# Altium PCB VOU_SOM_CV_V0.0.1.PcbDoc (part 3 of 3)
Units mil, origin at the board's own origin, x right, y up, seen from the top; angles counter-clockwise.
Board outline 6000 x 4000 mil, 2 copper layers (Top Layer, Bottom Layer); 531 components, 775 nets, 3326 pads, 56 vias.
Unrouted connection lines stored in the file: 2447.
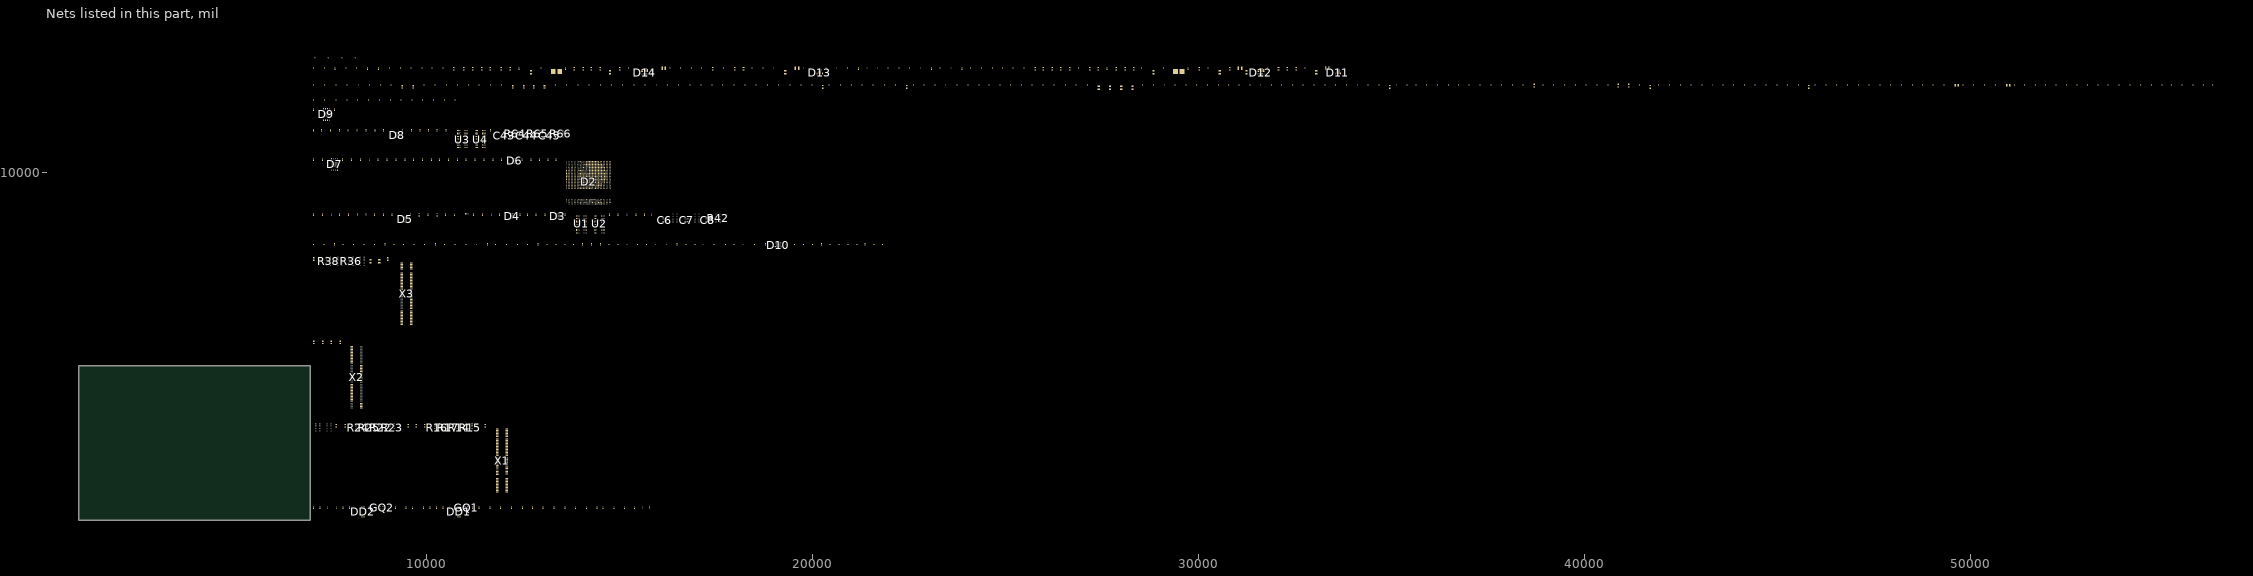
[diagram p3: the nets of this part, all layers, seen from the top]

## Via types
v1: diameter 19.68, hole 7.87, Top Layer to Bottom Layer, 56 vias

## Nets (pads, with @x,y where several pads share a name; then routed paths per layer and width w, separated by ;. In a path a pad name is that pad's centre, name@x,y a point inside that pad or via, vN(x,y) a via of type N, cw(c..) or ccw(c..) an arc to the next point about the centre after c; other vN are vias at no path point) (continued)
FPGA_DDR_D21: D2.AF20 U1.H8
FPGA_DDR_D22: D2.AH23 U1.G2
FPGA_DDR_D23: D2.AK24 U1.H7
FPGA_DDR_D24: D2.AF24 U1.D7
FPGA_DDR_D25: D2.AF23 U1.C3
FPGA_DDR_D26: D2.AJ24 U1.C8
FPGA_DDR_D27: D2.AK26 U1.C2
FPGA_DDR_D28: D2.AE23 U1.A7
FPGA_DDR_D29: D2.AE22 U1.A2
FPGA_DDR_D30: D2.AG25 U1.B8
FPGA_DDR_D31: D2.AK27 U1.A3
FPGA_DDR_DM0: D2.AH17 U2.E7
FPGA_DDR_DM1: D2.AG23 U2.D3
FPGA_DDR_DM2: D2.AK23 U1.E7
FPGA_DDR_DM3: D2.AJ27 U1.D3
FPGA_DDR_DQS0_N: D2.W16 U2.G3
FPGA_DDR_DQS0_P: D2.V16 U2.F3
FPGA_DDR_DQS1_N: D2.W17 U2.B7
FPGA_DDR_DQS1_P: D2.V17 U2.C7
FPGA_DDR_DQS2_N: D2.AA18 U1.G3
FPGA_DDR_DQS2_P: D2.Y17 U1.F3
FPGA_DDR_DQS3_N: D2.AD19 U1.B7
FPGA_DDR_DQS3_P: D2.AC20 U1.C7
FPGA_DDR_ODT: D2.AE16 R42.1 U1.K1 U2.K1
FPGA_DDR_RAS#: D2.AH8 R42.3 U1.J3 U2.J3
FPGA_DDR_RST#: D2.AK21 R49.2 U1.T2 U2.T2
FPGA_DDR_WE#: D2.AJ6 R42.5 U1.L3 U2.L3
FPGA_STATUS#: D2.F4 R176.2
GND: C1.1 C2.1 C3.2 C4.1 C5.2 C6.1 C6.2 C6.3 C6.4 C7.1 C7.2 C7.3 C7.4 C8.1 C8.2 C8.3 C8.4 C11.2 C12.2 C13.2 C14.2 C15.2 C16.2 C17.2 C18.2 C19.2 C20.2 C34.1 C35.1 C42.1 C43.1 C43.2 C43.3 C43.4 C44.1 C44.2 C44.3 C44.4 C45.1 C45.2 C45.3 C45.4 C46.2 C47.2 C48.2 C49.2 C50.2 C51.2 C52.1 C53.1 C54.1 C55.1 C56.1 C57.1 C58.2 C59.2 C60.1 C61.1 C62.1 C63.1 C64.1 C65.2 C66.2 C67.2 C68.2 C69.2 C70.1 C71.2 C72.2 C73.2 C75.2 C76.2 C77.2 C78.2 C79.2 C80.2 C81.1 C85.2 C86.2 C87.2 C88.2 C89.2 C90.2 C91.2 C92.2 C94.2 C95.2 C96.2 C97.2 C98.2 C99.2 C100.2 C101.1 C103.1 C105.1 C106.1 C107.1 C108.1 C109.1 C110.1 C111.1 C112.2 C113.1 C114.1 C115.1 C116.1 C117.1 C118.1 C119.1 C120.1 C121.1 C122.1 C123.1 C124.1 C125.1 C126.1 C127.1 C128.1 C129.1 C130.1 C131.1 C132.1 C133.1 C134.1 C135.1 C136.1 C137.2 C138.1 C139.1 C140.1 C141.1 C142.1 C143.1 C144.1 C145.1 C146.1 C147.1 C148.1 C149.1 C150.1 C151.1 C152.1 C153.1 C154.2 C155.1 C156.1 C157.1 C158.1 C159.1 C160.1 C161.1 C162.2 C163.2 C164.1 C165.1 C166.1 C167.2 C168.2 C169.2 C170.2 C171.2 C172.2 C173.2 C174.2 C175.2 C176.1 C177.1 C178.1 C179.1 C180.2 C181.2 C182.2 C183.2 C184.2 C185.2 C186.2 C187.2 C188.2 C189.2 C190.2 C191.2 C192.2 C193.2 C194.1 C195.1 C196.1 C197.1 C198.1 C199.1 C200.1 C201.1 C202.2 C203.2 C204.2 C205.2 C206.1 C207.1 C208.1 C209.1 C210.1 C211.1 C212.1 C213.1 C214.1 C215.1 C216.1 C217.1 C218.1 C219.1 C220.1 C221.1 C222.1 C223.1 C224.1 C225.1 C226.1 C227.2 C228.2 C230.1 C231.1 C232.1 C233.1 C234.1 C235.1 C236.1 C237.1 C238.1 C239.1 C240.1 C241.1 C242.1 C243.1 C244.1 C245.1 C246.2 C247.2 C249.1 C250.1 C251.1 C252.1 C253.1 C254.1 C255.1 C256.1 C257.1 C258.1 C259.1 C260.1 C261.1 C262.1 C263.1 C264.1 C265.1 C266.1 C268.2 D2.A2 D2.A12 D2.A17 D2.A22 D2.A26 D2.A27 D2.AA3 D2.AA4 D2.AA6 D2.AA9 D2.AA11 D2.AA22 D2.AA29 D2.AB1 D2.AB2 D2.AB5 D2.AB7 D2.AB19 D2.AB27 D2.AB29 D2.AC3 D2.AC4 D2.AC6 D2.AC8 D2.AC16 D2.AC24 D2.AC26 D2.AD1 D2.AD2 D2.AD5 D2.AD6 D2.AD23 D2.AE3 D2.AE4 D2.AE10 D2.AE20 D2.AF1 D2.AF2 D2.AF3 D2.AF12 D2.AF15 D2.AF17 D2.AF27 D2.AG9 D2.AG14 D2.AG24 D2.AH1 D2.AH6 D2.AH11 D2.AH21 D2.AJ3 D2.AJ7 D2.AJ10 D2.AJ18 D2.AJ22 D2.AJ28 D2.AJ30 D2.AK5 D2.AK15 D2.AK25 D2.B9 D2.B10 D2.B14 D2.B19 D2.B24 D2.B29 D2.C1 D2.C6 D2.C16 D2.C21 D2.C26 D2.D3 D2.D13 D2.D23 D2.D26 D2.E10 D2.E22 D2.E25 D2.E30 D2.F2 D2.F5 D2.F7 D2.F17 D2.F27 D2.G3 D2.G4 D2.G5 D2.G24 D2.H1 D2.H2 D2.H5 D2.H11 D2.J3 D2.J4 D2.J6 D2.J8 D2.J18 D2.J22 D2.J28 D2.K1 D2.K2 D2.K5 D2.K10 D2.K15 D2.K20 D2.K25 D2.L3 D2.L4 D2.L6 D2.L11 D2.L13 D2.L15 D2.L17 D2.L19 D2.L22 D2.M1 D2.M2 D2.M5 D2.M7 D2.M8 D2.M10 D2.M12 D2.M14 D2.M16 D2.M18 D2.M20 D2.M29 D2.N3 D2.N4 D2.N6 D2.N8 D2.N9 D2.N11 D2.N13 D2.N15 D2.N17 D2.N19 D2.N26 D2.P1 D2.P2 D2.P5 D2.P7 D2.P10 D2.P12 D2.P14 D2.P16 D2.P18 D2.P20 D2.R3 D2.R4 D2.R6 D2.R8 D2.R9 D2.R11 D2.R13 D2.R15 D2.R17 D2.R30 D2.T1 D2.T2 D2.T5 D2.T7 D2.T10 D2.T12 D2.T14 D2.T15 D2.T16 D2.T18 D2.T20 D2.T27 D2.U3 D2.U4 D2.U6 D2.U9 D2.U11 D2.U13 D2.U15 D2.U17 D2.U22 D2.U24 D2.U29 D2.V1 D2.V2 D2.V5 D2.V7 D2.V10 D2.V12 D2.V14 D2.V19 D2.V21 D2.W3 D2.W4 D2.W6 D2.W9 D2.W11 D2.W13 D2.W18 D2.W28 D2.Y1 D2.Y2 D2.Y5 D2.Y7 D2.Y8 D2.Y10 D2.Y12 D2.Y14 D2.Y15 D2.Y20 D2.Y25 D2.Y30 D3.11 D4.11 D5.4 D5.8 D5.11 D6.11 D7.4 D8.4 D8.8 D8.11 D9.4 D10.11 D11.14 D12.11 D13.14 D14.11 DD1.4 DD2.4 GQ1.2 GQ2.2 R44.2 R46.2 R47.2 R48.2 R51.1 R57.2 R59.1 R61.2 R62.1 R68.2 R69.1 R70.2 R72.1 R76.1 R77.1 R120.2 R124.1 R127.1 R138.1 R144.2 R150.1 R151.2 R157.1 R163.1 R168.1 R171.1 R172.1 R173.1 R174.1 R175.1 R176.1 R177.2 R178.1 R179.2 R180.1 R181.2 R182.1 R183.2 R184.2 R185.1 R186.1 R187.1 R188.1 R190.1 R191.1 R192.1 R193.1 R194.1 R195.1 R196.2 R197.2 R198.2 R199.2 R200.2 R201.2 R202.2 R203.2 R204.2 R215.2 R216.2 U1.A9 U1.B1 U1.B3 U1.B9 U1.D1 U1.D8 U1.E1 U1.E2 U1.E8 U1.F9 U1.G1 U1.G8 U1.G9 U1.J2 U1.J8 U1.M1 U1.M9 U1.P1 U1.P9 U1.T1 U1.T9 U2.A9 U2.B1 U2.B3 U2.B9 U2.D1 U2.D8 U2.E1 U2.E2 U2.E8 U2.F9 U2.G1 U2.G8 U2.G9 U2.J2 U2.J8 U2.M1 U2.M9 U2.P1 U2.P9 U2.T1 U2.T9 U3.A9 U3.B1 U3.B3 U3.B9 U3.D1 U3.D8 U3.E1 U3.E2 U3.E8 U3.F9 U3.G1 U3.G8 U3.G9 U3.J2 U3.J8 U3.M1 U3.M9 U3.P1 U3.P9 U3.T1 U3.T9 U4.A9 U4.B1 U4.B3 U4.B9 U4.D1 U4.D8 U4.E1 U4.E2 U4.E8 U4.F9 U4.G1 U4.G8 U4.G9 U4.J2 U4.J8 U4.M1 U4.M9 U4.P1 U4.P9 U4.T1 U4.T9 X1.7 X1.8 X1.9 X1.10 X1.45 X1.46 X1.79 X1.80 X1.89 X1.90 X1.101 X1.102 X1.105 X1.113 X1.114 X1.119 X1.120 X1.122 X1.123 X1.126 X1.127 X1.130 X1.131 X1.134 X1.135 X1.138 X1.139 X1.142 X1.143 X1.146 X1.147 X1.150 X1.151 X1.154 X1.155 X1.158 X1.159 X1.161 X1.162 X2.1 X2.4 X2.5 X2.8 X2.9 X2.12 X2.13 X2.16 X2.17 X2.20 X2.21 X2.24 X2.25 X2.28 X2.29 X2.32 X2.33 X2.36 X2.37 X2.40 X2.41 X2.44 X2.45 X2.48 X2.49 X2.52 X2.53 X2.56 X2.57 X2.60 X2.61 X2.64 X2.65 X2.68 X2.69 X2.72 X2.73 X2.76 X2.77 X2.80 X2.81 X2.84 X2.85 X2.88 X2.89 X2.92 X2.93 X2.96 X2.97 X2.100 X2.101 X2.104 X2.105 X2.108 X2.109 X2.112 X2.113 X2.116 X2.117 X2.120 X2.121 X2.124 X2.125 X2.128 X2.129 X2.132 X2.133 X2.136 X2.137 X2.140 X2.141 X2.144 X2.145 X2.148 X2.149 X2.152 X2.153 X2.156 X2.157 X2.160 X2.161 X2.164 X2.165 X2.168 X3.1 X3.4 X3.5 X3.8 X3.9 X3.12 X3.13 X3.16 X3.17 X3.20 X3.21 X3.24 X3.25 X3.28 X3.29 X3.32 X3.33 X3.36 X3.37 X3.40 X3.41 X3.44 X3.45 X3.48 X3.49 X3.52 X3.53 X3.56 X3.57 X3.60 X3.61 X3.64 X3.65 X3.68 X3.69 X3.72 X3.73 X3.76 X3.77 X3.80 X3.81 X3.84 X3.91 X3.92 X3.125 X3.128 X3.129 X3.132 X3.133 X3.136 X3.137 X3.140 X3.141 X3.144 X3.145 X3.148 X3.149 X3.152 X3.153 X3.156 X3.157 X3.160 X3.161 X3.164 X3.165 X3.168
  other v1: 9435.31,8775.31 9474.68,8775.31 9435.31,8814.68 9474.68,8814.68 9225.31,10960.31 9264.68,10960.31 9225.31,10999.68 9264.68,10999.68
GND_A: C82.1 D12.4 D12.17 R132.2 R140.1 R142.1 R150.2
GND_B: C102.1 D14.4 D14.17 R162.2 R166.1 R167.1 R168.2
GND_C: D11.4 D11.8 D11.17 R138.2
GND_D: D13.4 D13.8 D13.17 R163.2
GXB_REF_CK0_N: D2.W7 X3.70
GXB_REF_CK0_P: D2.W8 X3.74
GXB_REF_CK1_N: D2.T8 X3.67
GXB_REF_CK1_P: D2.T9 X3.71
GXB_RXA0_N: D2.AC1 X3.62
GXB_RXA0_P: D2.AC2 X3.66
GXB_RXA1_N: D2.AA1 X3.54
GXB_RXA1_P: D2.AA2 X3.58
GXB_RXA2_N: D2.W1 X3.46
GXB_RXA2_P: D2.W2 X3.50
GXB_RXA3_N: D2.U1 X3.38
GXB_RXA3_P: D2.U2 X3.42
GXB_RXA4_N: D2.R1 X3.30
GXB_RXA4_P: D2.R2 X3.34
GXB_RXA5_N: D2.N1 X3.22
GXB_RXA5_P: D2.N2 X3.26
GXB_RXA6_N: D2.L1 X3.18
GXB_RXA6_P: D2.L2 X3.14
GXB_RXA7_N: D2.J1 X3.10
GXB_RXA7_P: D2.J2 X3.6
GXB_RXB0_N: D2.AE1 X3.78
GXB_RXB0_P: D2.AE2 X3.82
GXB_TXA0_N: C25.2 X3.59
GXB_TXA0_P: C24.2 X3.63
GXB_TXA1_N: C27.2 X3.51
GXB_TXA1_P: C26.2 X3.55
GXB_TXA2_N: C29.2 X3.43
GXB_TXA2_P: C28.2 X3.47
GXB_TXA3_N: C31.2 X3.35
GXB_TXA3_P: C30.2 X3.39
GXB_TXA4_N: C33.2 X3.27
GXB_TXA4_P: C32.2 X3.31
GXB_TXA5_N: C37.2 X3.19
GXB_TXA5_P: C36.2 X3.23
GXB_TXA6_N: C39.2 X3.11
GXB_TXA6_P: C38.2 X3.15
GXB_TXA7_N: C41.2 X3.3
GXB_TXA7_P: C40.2 X3.7
GXB_TXA_C0_N: C25.1 D2.AB3
GXB_TXA_C0_P: C24.1 D2.AB4
GXB_TXA_C1_N: C27.1 D2.Y3
GXB_TXA_C1_P: C26.1 D2.Y4
GXB_TXA_C2_N: C29.1 D2.V3
GXB_TXA_C2_P: C28.1 D2.V4
GXB_TXA_C3_N: C31.1 D2.T3
GXB_TXA_C3_P: C30.1 D2.T4
GXB_TXA_C4_N: C33.1 D2.P3
GXB_TXA_C4_P: C32.1 D2.P4
GXB_TXA_C5_N: C37.1 D2.M3
GXB_TXA_C5_P: C36.1 D2.M4
GXB_TXA_C6_N: C39.1 D2.K3
GXB_TXA_C6_P: C38.1 D2.K4
GXB_TXA_C7_N: C41.1 D2.H3
GXB_TXA_C7_P: C40.1 D2.H4
GXB_TXB0_N: C23.2 X3.75
GXB_TXB0_P: C22.2 X3.79
GXB_TXB_C0_N: C23.1 D2.AD3
GXB_TXB_C0_P: C22.1 D2.AD4
HPS_BSL0: D2.A18 D2.H20 D9.1 R16.12 R178.2 R180.2
HPS_BSL2: D2.D20 R182.2
HPS_CAN_RX: D2.B22 R22.12
HPS_CAN_TX: D2.G22 R22.13
HPS_CLK_25_1: D2.D25 R9.2
HPS_CLK_25_2: D2.F25 R10.2
HPS_DDR_A0: D2.F26 R64.8 U3.N3 U4.N3
HPS_DDR_A1: D2.G30 R64.7 U3.P7 U4.P7
HPS_DDR_A2: D2.F28 R64.6 U3.P3 U4.P3
HPS_DDR_A3: D2.F30 R64.5 U3.N2 U4.N2
HPS_DDR_A4: D2.J25 R64.4 U3.P8 U4.P8
HPS_DDR_A5: D2.J27 R64.3 U3.P2 U4.P2
HPS_DDR_A6: D2.F29 R64.2 U3.R8 U4.R8
HPS_DDR_A7: D2.E28 R64.1 U3.R2 U4.R2
HPS_DDR_A8: D2.G26 R65.7 U3.T8 U4.T8
HPS_DDR_A9: D2.H27 R65.8 U3.R3 U4.R3
HPS_DDR_A10: D2.D29 R65.6 U3.L7 U4.L7
HPS_DDR_A11: D2.C30 R65.5 U3.R7 U4.R7
HPS_DDR_A12: D2.B30 R65.4 U3.N7 U4.N7
HPS_DDR_A13: D2.C29 R65.3 U3.T3 U4.T3
HPS_DDR_A14: D2.H25 R65.2 U3.T7 U4.T7
HPS_DDR_BA0: D2.E29 R65.1 U3.M2 U4.M2
HPS_DDR_BA1: D2.J24 R66.8 U3.N8 U4.N8
HPS_DDR_BA2: D2.J23 R66.7 U3.M3 U4.M3
HPS_DDR_CAS#: D2.E27 R66.4 U3.K3 U4.K3
HPS_DDR_CK_H_N: D2.L23 R67.1 U3.K7 U4.K7
HPS_DDR_CK_H_P: D2.M23 R67.2 U3.J7 U4.J7
HPS_DDR_CKE: D2.L29 R66.6 R72.2 U3.K9 U4.K9
HPS_DDR_CS#: D2.H24 R66.2 U3.L2 U4.L2
HPS_DDR_D0: D2.K23 U4.E3
HPS_DDR_D1: D2.K22 U4.F7
HPS_DDR_D2: D2.H30 U4.F2
HPS_DDR_D3: D2.G28 U4.F8
HPS_DDR_D4: D2.L25 U4.H3
HPS_DDR_D5: D2.L24 U4.H8
HPS_DDR_D6: D2.J30 U4.G2
HPS_DDR_D7: D2.J29 U4.H7
HPS_DDR_D8: D2.K26 U4.D7
HPS_DDR_D9: D2.L26 U4.C3
HPS_DDR_D10: D2.K29 U4.C8
HPS_DDR_D11: D2.K27 U4.C2
HPS_DDR_D12: D2.M26 U4.A7
HPS_DDR_D13: D2.M27 U4.A2
HPS_DDR_D14: D2.L28 U4.B8
HPS_DDR_D15: D2.M30 U4.A3
HPS_DDR_D16: D2.U26 U3.E3
HPS_DDR_D17: D2.T26 U3.F7
HPS_DDR_D18: D2.N29 U3.F2
HPS_DDR_D19: D2.N28 U3.F8
HPS_DDR_D20: D2.P26 U3.H3
HPS_DDR_D21: D2.P27 U3.H8
HPS_DDR_D22: D2.N27 U3.G2
HPS_DDR_D23: D2.R29 U3.H7
HPS_DDR_D24: D2.P24 U3.D7
HPS_DDR_D25: D2.P25 U3.C3
HPS_DDR_D26: D2.T29 U3.C8
HPS_DDR_D27: D2.T28 U3.C2
HPS_DDR_D28: D2.R27 U3.A7
HPS_DDR_D29: D2.R26 U3.A2
HPS_DDR_D30: D2.V30 U3.B8
HPS_DDR_D31: D2.W29 U3.A3
HPS_DDR_DM0: D2.K28 U4.E7
HPS_DDR_DM1: D2.M28 U4.D3
HPS_DDR_DM2: D2.R28 U3.E7
HPS_DDR_DM3: D2.W30 U3.D3
HPS_DDR_DQS0_N: D2.M19 U4.G3
HPS_DDR_DQS0_P: D2.N18 U4.F3
HPS_DDR_DQS1_N: D2.N24 U4.B7
HPS_DDR_DQS1_P: D2.N25 U4.C7
HPS_DDR_DQS2_N: D2.R18 U3.G3
HPS_DDR_DQS2_P: D2.R19 U3.F3
HPS_DDR_DQS3_N: D2.R21 U3.B7
HPS_DDR_DQS3_P: D2.R22 U3.C7
HPS_DDR_ODT: D2.H28 R66.1 U3.K1 U4.K1
HPS_DDR_RAS#: D2.D30 R66.3 U3.J3 U4.J3
HPS_DDR_RST#: D2.P30 R71.2 U3.T2 U4.T2
HPS_DDR_WE#: D2.C28 R66.5 U3.L3 U4.L3
HPS_FLASH_D0: D2.C20 D9.5
HPS_FLASH_D1: D2.H18 D9.2
HPS_FLASH_D2: D2.A19 D9.3
HPS_FLASH_D3: D2.E19 D9.7
HPS_FLASH_DCLK: D2.D19 D9.6
HPS_GPIO0: D2.B26 R17.1
HPS_GPIO1: D2.A24 R25.4
HPS_GPIO2: D2.G21 R25.1
HPS_GPIO3: D2.E24 R14.15
HPS_GPIO4: D2.D24 R14.16
HPS_GPIO5: D2.C19 R16.11
HPS_GPIO6: D2.B17 R16.16
HPS_GPIO7: D2.H17 R22.11
HPS_GPIO8: D2.C18 R22.14
HPS_GPIO9: D2.G17 R24.9
HPS_GPIO10: D2.E18 R24.10
HPS_GPIO11: D2.E17 R24.11
HPS_GPIO12: D2.F16 R24.12
HPS_GPIO13: D2.B15 R24.13
HPS_I2C0_CL: D2.E23 R22.10
HPS_I2C0_DA: D2.C24 R22.9
HPS_I2C1_CL: D2.H23 R22.16
HPS_I2C1_DA: D2.A25 R22.15
HPS_JTAG_TCK: D2.H22 R202.1
HPS_JTAG_TDI: D2.B27 R200.1
HPS_JTAG_TDO: D2.B28 R201.1
HPS_JTAG_TMS: D2.A29 R203.1
HPS_JTAG_TRST#: D2.A28 R204.1
HPS_SD_CLK: D2.A16 R14.14
HPS_SD_CMD: D2.F18 R14.13
HPS_SD_D0: D2.G18 R14.9
HPS_SD_D1: D2.C17 R14.10
HPS_SD_D2: D2.D17 R14.11
HPS_SD_D3: D2.B16 R14.12
HPS_SPI_MISO: D2.B23 R16.13
HPS_SPI_MOSI: D2.C22 R16.14
HPS_SPI_SCK: D2.A23 R16.15
HPS_UART0_RX: D2.B25 R25.3
HPS_UART0_TX: D2.C25 R25.2
HPS_UART1_RX: D2.C23 R16.10
HPS_UART1_TX: D2.D22 R16.9
HPS_USB_CKO: D2.N16 R25.8
HPS_USB_D0: D2.E16 R23.8
HPS_USB_D1: D2.G16 R23.7
HPS_USB_D2: D2.D16 R23.6
HPS_USB_D3: D2.D14 R23.5
HPS_USB_D4: D2.A15 R23.4
HPS_USB_D5: D2.C14 R23.3
HPS_USB_D6: D2.D15 R23.2
HPS_USB_D7: D2.M17 R23.1
HPS_USB_DIR: D2.E14 R25.6
HPS_USB_NXT: D2.A14 R25.5
HPS_USB_STP: D2.C15 R25.7
JTAG_TCK#: R194.2 X1.98
JTAG_TDI#: R192.2 X1.94
JTAG_TDO#: R193.2 X1.96
JTAG_TMS#: R195.2 X1.100
JTAG_TRST#: R191.2 X1.92
LVDS0_CKO_N: D2.AD29 X1.128
LVDS0_CKO_P: D2.AE29 X1.124
LVDS0_TX0_N: D2.AH29 X1.136
LVDS0_TX0_P: D2.AJ29 X1.132
LVDS0_TX1_N: D2.AD27 X1.144
LVDS0_TX1_P: D2.AE26 X1.140
LVDS0_TX2_N: D2.AB26 X1.152
LVDS0_TX2_P: D2.AA25 X1.148
LVDS0_TX3_N: D2.AE28 X1.160
LVDS0_TX3_P: D2.AE27 X1.156
MAIN_POK: R148.1 R149.2 R152.2 R153.2 R186.2 X1.99
MIPI_CSI_24CLK_A: R206.2 X3.167
MIPI_CSI_24CLK_B: R208.2 X3.126
MIPI_CSI_CKA_HS_N: D2.Y27 R96.2 R97.2 X3.127
MIPI_CSI_CKA_HS_P: D2.Y26 R94.2 R95.1 X3.131
MIPI_CSI_CKA_LP_N: D2.V25 R96.1
MIPI_CSI_CKA_LP_P: D2.W25 R94.1
MIPI_CSI_CKB_HS_N: D2.Y16 R116.2 R117.2 X3.134
MIPI_CSI_CKB_HS_P: D2.W15 R114.2 R115.1 X3.130
MIPI_CSI_CKB_LP_N: D2.AH2 R117.1
MIPI_CSI_CKB_LP_P: D2.AG1 R114.1
MIPI_CSI_DA0_HS_N: D2.AC25 R80.2 R81.2 X3.159
MIPI_CSI_DA0_HS_P: D2.AD25 R78.2 R79.1 X3.163
MIPI_CSI_DA0_LP_N: D2.AB25 R80.1
MIPI_CSI_DA0_LP_P: D2.AA24 R78.1
MIPI_CSI_DA1_HS_N: D2.Y21 R84.2 R85.2 X3.147
MIPI_CSI_DA1_HS_P: D2.W20 R82.2 R83.1 X3.143
MIPI_CSI_DA1_LP_N: D2.Y24 R84.1
MIPI_CSI_DA1_LP_P: D2.Y23 R82.1
MIPI_CSI_DA2_HS_N: D2.W22 R88.2 R89.2 X3.135
MIPI_CSI_DA2_HS_P: D2.W21 R86.2 R87.1 X3.139
MIPI_CSI_DA2_LP_N: D2.W24 R88.1
MIPI_CSI_DA2_LP_P: D2.V23 R86.1
MIPI_CSI_DA3_HS_N: D2.AB23 R92.2 R93.2 X3.155
MIPI_CSI_DA3_HS_P: D2.AB22 R90.2 R91.1 X3.151
MIPI_CSI_DA3_LP_N: D2.AC27 R92.1
MIPI_CSI_DA3_LP_P: D2.AD26 R90.1
MIPI_CSI_DB0_HS_N: D2.AG11 R100.2 R101.2 X3.166
MIPI_CSI_DB0_HS_P: D2.AF11 R98.2 R99.1 X3.162
MIPI_CSI_DB0_LP_N: D2.AE12 R101.1
MIPI_CSI_DB0_LP_P: D2.AD11 R98.1
MIPI_CSI_DB1_HS_N: D2.AB13 R104.2 R105.2 X3.142
MIPI_CSI_DB1_HS_P: D2.AA13 R102.2 R103.1 X3.138
MIPI_CSI_DB1_LP_N: D2.AD10 R105.1
MIPI_CSI_DB1_LP_P: D2.AC9 R102.1
MIPI_CSI_DB2_HS_N: D2.AF13 R108.2 R109.2 X3.158
MIPI_CSI_DB2_HS_P: D2.AE13 R106.2 R107.1 X3.154
MIPI_CSI_DB2_LP_N: D2.AE7 R109.1
MIPI_CSI_DB2_LP_P: D2.AD7 R106.1
MIPI_CSI_DB3_HS_N: D2.AE14 R112.2 R113.2 X3.146
MIPI_CSI_DB3_HS_P: D2.AD14 R110.2 R111.1 X3.150
MIPI_CSI_DB3_LP_N: D2.AF5 R113.1
MIPI_CSI_DB3_LP_P: D2.AF4 R110.1
MSEL0: D2.L8 R177.1
MSEL1: D2.K6 R179.1
MSEL2: D2.G6 R181.1
MSEL3: D2.L7 R183.1
MSEL4: D2.L9 R184.1
NetC9_1: C9.1 R4.2
NetC10_1: C10.1 R5.2
NetC20_1: C20.1 D5.1 R58.2 R59.2
NetC21_1: C21.1 R6.2
NetC51_1: C51.1 D8.1 R75.2 R76.2
NetC53_2: C53.2 R79.2 R81.1
NetC54_2: C54.2 R83.2 R85.1
NetC55_2: C55.2 R87.2 R89.1
NetC56_2: C56.2 R91.2 R93.1
NetC57_2: C57.2 R95.2 R97.1
NetC60_2: C60.2 R99.2 R100.1
NetC61_2: C61.2 R103.2 R104.1
NetC62_2: C62.2 R107.2 R108.1
NetC63_2: C63.2 R111.2 R112.1
NetC64_2: C64.2 R115.2 R116.1
NetC65_1: C65.1 C66.1 L7.2 R118.1 R119.2
NetC72_1: C72.1 C73.1 L8.2 R123.1 R126.2
NetC74_1: C74.1 R133.1
NetC74_2: C74.2 C77.1 C78.1 L9.2 R121.1 R125.1 R128.2 R130.2
NetC81_2: C81.2 D12.10 D12.16
NetC82_2: C82.2 D12.6
NetC83_1: C83.1 C84.2 D12.3
NetC83_2: C83.2 R137.2
NetC84_1: C84.1 D12.1 R130.1 R133.2 R137.1 R140.2
NetC85_1: C85.1 C86.1 L10.2 R145.1 R147.2
NetC91_1: C91.1 C92.1 L11.2 R154.1 R155.2
NetC93_1: C93.1 D14.14
NetC93_2: C93.2 D14.12 L12.1 R159.1
NetC97_1: C97.1 C98.1 C269.2 L12.2 R156.1 R158.1 R160.2 R161.2
NetC101_2: C101.2 D14.10 D14.16
NetC102_2: C102.2 D14.6
NetC104_1: C104.1 D14.1 R161.1 R164.2 R165.1 R166.2
NetC104_2: C104.2 C270.1 D14.3
NetC267_1: C267.1 D12.14
NetC267_2: C267.2 D12.12 L9.1 R129.1
NetC269_1: C269.1 R164.1
NetC270_2: C270.2 R165.2
NetD2_AG17: D2.AG17 R57.1
NetD2_C27: D2.C27 R188.2
NetD2_D27: D2.D27 R69.2
NetD2_F23: D2.F23 R187.2
NetD2_F24: D2.F24 R77.2
NetD2_P8: D2.P8 D2.P9 R62.2
NetD5_7: D5.7 R56.2
NetD5_9: D5.9 R55.2
NetD6_10: D6.10 R63.2
NetD8_7: D8.7 R74.2
NetD8_9: D8.9 R73.2
NetD10_1: D10.1 R205.2
NetD10_3: D10.3 R207.2
NetD10_18: D10.18 R208.1
NetD10_20: D10.20 R206.1
NetD11_5: D11.5 D11.6 L8.1
NetD11_7: D11.7 L7.1
NetD11_12: D11.12 R119.1 R120.1
NetD11_16: D11.16 R126.1 R127.2
NetD12_2: D12.2 R128.1 R142.2
NetD12_5: D12.5 R132.1
NetD12_7: D12.7 R129.2
NetD12_15: D12.15 R122.2 R124.2
NetD13_5: D13.5 D13.6 L11.1
NetD13_7: D13.7 L10.1
NetD13_12: D13.12 R147.1 R151.1
NetD13_16: D13.16 R155.1 R157.2
NetD14_2: D14.2 R160.1 R167.2
NetD14_5: D14.5 R162.1
NetD14_7: D14.7 R159.2
NetDD1_1: DD1.1 GQ1.3
NetDD1_3: DD1.3 R4.1
NetDD1_5: DD1.5 R6.1
NetDD1_7: DD1.7 R7.1
NetDD1_8: DD1.8 R5.1
NetDD2_1: DD2.1 GQ2.3
NetDD2_3: DD2.3 R9.1
NetDD2_5: DD2.5 R11.1
NetDD2_8: DD2.8 R10.1
NetGQ1_1: GQ1.1 R3.2
NetGQ2_1: GQ2.1 R8.2
NetHL1_1: HL1.1 R50.1
NetHL2_1: HL2.1 R52.1
NetHL3_1: HL3.1 R54.1
NetR7_2: R7.2 X1.95
NetR11_2: R11.2 X1.91
NetR12_2: R12.2 X1.85 X1.87
NetR13_1: R13.1 X1.86 X1.88
NetR14_1: R14.1 X1.25
NetR14_2: R14.2 X1.23
NetR14_3: R14.3 X1.21
NetR14_4: R14.4 X1.19
NetR14_5: R14.5 X1.17
NetR14_6: R14.6 X1.15
NetR14_7: R14.7 X1.13
NetR14_8: R14.8 X1.11
NetR15_9: R15.9 X1.12
NetR15_10: R15.10 X1.14
NetR15_11: R15.11 X1.16
NetR15_12: R15.12 X1.18
NetR15_13: R15.13 X1.20
NetR15_14: R15.14 X1.22
NetR15_15: R15.15 X1.24
NetR15_16: R15.16 X1.26
NetR16_1: R16.1 X1.41
NetR16_2: R16.2 X1.39
NetR16_3: R16.3 X1.37
NetR16_4: R16.4 X1.35
NetR16_5: R16.5 X1.33
NetR16_6: R16.6 X1.31
NetR16_7: R16.7 X1.29
NetR16_8: R16.8 X1.27
NetR17_9: R17.9 X1.28
NetR17_10: R17.10 X1.30
NetR17_11: R17.11 X1.32
NetR17_12: R17.12 X1.34
NetR17_13: R17.13 X1.36
NetR17_14: R17.14 X1.38
NetR17_15: R17.15 X1.40
NetR17_16: R17.16 X1.42
NetR18_2: R18.2 X1.115 X1.117
NetR19_1: R19.1 X1.116 X1.118
NetR20_2: R20.2 X1.43
NetR21_1: R21.1 X1.44
NetR22_1: R22.1 X1.61
NetR22_2: R22.2 X1.59
NetR22_3: R22.3 X1.57
NetR22_4: R22.4 X1.55
NetR22_5: R22.5 X1.53
NetR22_6: R22.6 X1.51
NetR22_7: R22.7 X1.49
NetR22_8: R22.8 X1.47
NetR23_9: R23.9 X1.48
NetR23_10: R23.10 X1.50
NetR23_11: R23.11 X1.52
NetR23_12: R23.12 X1.54
NetR23_13: R23.13 X1.56
NetR23_14: R23.14 X1.58
NetR23_15: R23.15 X1.60
NetR23_16: R23.16 X1.62
NetR24_1: R24.1 X1.77
NetR24_2: R24.2 X1.75
NetR24_3: R24.3 X1.73
NetR24_4: R24.4 X1.71
NetR24_5: R24.5 X1.69
NetR24_6: R24.6 X1.67
NetR24_7: R24.7 X1.65
NetR24_8: R24.8 X1.63
NetR25_9: R25.9 X1.64
NetR25_10: R25.10 X1.66
NetR25_11: R25.11 X1.68
NetR25_12: R25.12 X1.70
NetR25_13: R25.13 X1.72
NetR25_14: R25.14 X1.74
NetR25_15: R25.15 X1.76
NetR25_16: R25.16 X1.78
NetR26_2: R26.2 X1.81 X1.83
NetR27_1: R27.1 X1.82 X1.84
NetR30_1: R30.1 X2.2
NetR31_1: R31.1 X2.86
NetR32_2: R32.2 X2.83
NetR33_2: R33.2 X2.167
NetR34_2: R34.2 X3.85 X3.87 X3.89
NetR35_1: R35.1 X3.86 X3.88 X3.90
NetR36_1: R36.1 X3.107
NetR36_2: R36.2 X3.105
NetR36_3: R36.3 X3.103
NetR36_4: R36.4 X3.101
NetR36_5: R36.5 X3.99
NetR36_6: R36.6 X3.97
NetR36_7: R36.7 X3.95
NetR36_8: R36.8 X3.93
NetR38_1: R38.1 X3.123
NetR38_2: R38.2 X3.121
NetR38_3: R38.3 X3.119
NetR38_4: R38.4 X3.117
NetR38_5: R38.5 X3.115
NetR38_6: R38.6 X3.113
NetR38_7: R38.7 X3.111
NetR38_8: R38.8 X3.109
NetR47_1: R47.1 U1.L8
NetR48_1: R48.1 U2.L8
NetR68_1: R68.1 U3.L8
NetR70_1: R70.1 U4.L8
NetR131_1: R131.1 R134.2 R135.1 R136.1 R139.2 R141.1 R143.1
NetR169_1: R169.1 X3.2
NetR170_2: R170.2 X3.83
OSC_50_B3B: C9.2 D2.AF14 R43.1 R44.1
OSC_50_B4B: C10.2 D2.AA16 R45.1 R46.1
OSC_50_B5A5B: C21.2 D2.AA26 R60.1 R61.1
RGMI_MDC: D2.B21 R17.8
RGMI_MDIO: D2.E21 R15.2
RGMI_RX_CLK: D2.G20 R17.7
RGMI_RX_CTL: D2.K17 R17.6
RGMI_RXD0: D2.A21 R17.5
RGMI_RXD1: D2.B20 R17.4
RGMI_RXD2: D2.B18 R17.3
RGMI_RXD3: D2.D21 R17.2
RGMI_TX_CLK: D2.H19 R15.8
RGMI_TX_CTL: D2.A20 R15.7
RGMI_TXD0: D2.F20 R15.6
RGMI_TXD1: D2.J19 R15.5
RGMI_TXD2: D2.F21 R15.4
RGMI_TXD3: D2.F19 R15.3
TCK: D2.AC5 R198.1
TDI: D2.U8 R196.1
TDO: D2.AB9 R197.1
TMS: D2.V9 R199.1
VCC1P1: C94.1 C99.1 C100.1 C113.2 C114.2 C115.2 C116.2 C117.2 C118.2 C119.2 C120.2 C127.2 C128.2 C129.2 C130.2 C131.2 C132.2 C133.2 C134.2 C146.2 C147.2 C148.2 C149.2 C150.2 C151.2 C152.2 C153.2 C168.1 C169.1 C170.1 C171.1 C172.1 C173.1 C174.1 C180.1 C181.1 C182.1 C183.1 C184.1 C185.1 C186.1 C187.1 C189.1 C190.1 C191.1 C192.1 C193.1 C199.2 C200.2 C201.2 C202.1 C203.1 C204.1 C205.1 C210.2 C211.2 C212.2 C213.2 C214.2 C215.2 C216.2 D2.L16 D2.L18 D2.L20 D2.M9 D2.M11 D2.M13 D2.M15 D2.N10 D2.N12 D2.N14 D2.N20 D2.P11 D2.P13 D2.P15 D2.P17 D2.P19 D2.R10 D2.R12 D2.R14 D2.R16 D2.T11 D2.T13 D2.T17 D2.T19 D2.U10 D2.U12 D2.U14 D2.U16 D2.U18 D2.U21 D2.V11 D2.V13 D2.V15 D2.W10 D2.W12 D2.W14 D2.Y9 D2.Y11 D2.Y13 L2.2 R156.2 R158.2
VCC1P2: R30.2 R31.2 R35.2 R145.2 R169.2 R209.2
VCC1P5_DDR3: C11.1 C13.1 C19.1 C50.1 C107.2 C108.2 C109.2 C110.2 C111.2 C175.1 C194.2 C195.2 C196.2 C197.2 C198.2 C220.2 C221.2 C222.2 C223.2 C224.2 C225.2 C227.1 C228.1 C229.2 C230.2 C231.2 C236.2 C237.2 C238.2 C239.2 C240.2 C241.2 C246.1 C247.1 C248.2 C249.2 C250.2 D2.AA17 D2.AB14 D2.AC21 D2.AD13 D2.AD18 D2.AE15 D2.AE25 D2.AF22 D2.AG19 D2.AH16 D2.AH26 D2.AJ8 D2.AJ13 D2.AJ23 D2.AK10 D2.AK20 D2.D28 D2.G29 D2.H26 D2.K24 D2.K30 D2.L27 D2.M24 D2.N21 D2.P23 D2.P28 D2.R25 D2.T22 D2.U19 D2.V26 D3.2 D4.2 D5.2 D8.2 R1.2 R49.1 R58.1 R71.1 R75.1 R154.2 U1.A1 U1.A8 U1.B2 U1.C1 U1.C9 U1.D2 U1.D9 U1.E9 U1.F1 U1.G7 U1.H2 U1.H9 U1.K2 U1.K8 U1.N1 U1.N9 U1.R1 U1.R9 U2.A1 U2.A8 U2.B2 U2.C1 U2.C9 U2.D2 U2.D9 U2.E9 U2.F1 U2.G7 U2.H2 U2.H9 U2.K2 U2.K8 U2.N1 U2.N9 U2.R1 U2.R9 U3.A1 U3.A8 U3.B2 U3.C1 U3.C9 U3.D2 U3.D9 U3.E9 U3.F1 U3.G7 U3.H2 U3.H9 U3.K2 U3.K8 U3.N1 U3.N9 U3.R1 U3.R9 U4.A1 U4.A8 U4.B2 U4.C1 U4.C9 U4.D2 U4.D9 U4.E9 U4.F1 U4.G7 U4.H2 U4.H9 U4.K2 U4.K8 U4.N1 U4.N9 U4.R1 U4.R9
VCC1P8: R32.1 R33.1 R34.1 R43.2 R45.2 R60.2 R118.2 R170.1 R210.2
VCC2P5: C1.2 C34.2 C58.1 C87.1 C112.1 C121.2 C122.2 C135.2 C136.2 C137.1 C144.2 C145.2 C154.1 C206.2 C207.2 C259.2 C260.2 C261.2 C262.2 C263.2 C264.2 C265.2 C266.2 D2.AA10 D2.AA27 D2.AB18 D2.AB20 D2.AB24 D2.AC10 D2.AC11 D2.AC13 D2.AC15 D2.AC17 D2.AC19 D2.AD8 D2.AD16 D2.AD28 D2.AE21 D2.AE30 D2.AF7 D2.AG4 D2.AG29 D2.M21 D2.N22 D2.P21 D2.R20 D2.R23 D2.U23 D2.V22 D2.V24 D2.W23 D6.2 D10.2 L1.2 L3.2 L4.2 L5.1 L13.2 R2.2 R12.1 R13.2 R18.1 R19.2 R50.2 R52.2 R54.2 R63.1 R123.2 R211.2 R213.2
VCC3P3: C2.2 C3.1 C4.2 C5.1 C12.1 C14.1 C16.1 C35.2 C42.2 C47.1 C52.2 C59.1 C67.1 C71.1 C79.1 C80.1 C88.1 C208.2 C209.2 C217.2 C218.2 C219.2 C226.2 C251.2 C252.2 C253.2 C254.2 C255.2 C256.2 C257.2 C258.2 C268.1 D2.AA23 D2.AB10 D2.D18 D2.E15 D2.E20 D2.F22 D2.G19 D2.H16 D2.H21 D2.J11 D2.J17 D2.K16 D2.K18 D2.K19 D3.19 D4.19 D5.10 D6.19 D7.8 D8.10 D9.8 D10.19 D11.2 D11.3 D11.9 D11.10 D13.2 D13.3 D13.9 D13.10 DD1.2 DD1.6 DD2.2 DD2.6 GQ1.4 GQ2.4 L6.1 R3.1 R8.1 R20.1 R21.2 R26.1 R27.2 R55.1 R56.1 R73.1 R74.1 R121.2 R125.2 R131.2 R148.2 R212.2 R214.2 R217.2
VCC_BAT: C188.1 D2.H9 X1.103
VCCA_FPLL_2P5: C155.2 C156.2 C157.2 C158.2 C159.2 C160.2 C161.2 C162.1 C163.1 D2.AA8 D2.K9 D2.N7 D2.R7 D2.V8 D2.Y22 L13.1
VCCAUX_2P5: C138.2 C139.2 C140.2 C141.2 D2.AB11 D2.AB16 D2.AD22 D2.H10 D2.J16 L3.1
VCCAUX_SH_2P5: C176.2 C177.2 C178.2 C179.2 D2.J21 L4.1
VCCH_GXBL_2P5: C123.2 C124.2 C125.2 C126.2 D2.AB6 D2.P6 D2.V6 L1.1
VCCIO_B8A: C164.2 C165.2 C166.2 D2.A7 D2.B4 D2.C11 D2.D8 D2.E5 D2.F12 D2.G9 D2.G14 D2.H6 D2.J13 R209.1 R210.1 R211.1 R212.1
VCCL_GXBL_1P1: C70.2 C103.2 C105.2 C106.2 D2.AA5 D2.L5 D2.M6 D2.N5 D2.R5 D2.T6 D2.U5 D2.W5 D2.Y6 L2.1
VCCPD_B8A: C142.2 C143.2 D2.K11 D2.K13 D2.L10 D2.L12 D2.L14 R213.1 R214.1
VCCPLL_HPS_2P5: C232.2 C233.2 C234.2 C235.2 D2.L21 L5.2
VCCRSTCLK_HPS: C242.2 C243.2 C244.2 C245.2 D2.G23 D2.J20 L6.2
VIN: C68.1 C69.1 C75.1 C76.1 C89.1 C90.1 C95.1 C96.1 D12.13 D14.13 R122.1 X1.1 X1.2 X1.3 X1.4 X1.5 X1.6 X1.163 X1.164 X1.165 X1.166 X1.167 X1.168
pads on no net: C229.1 C248.1 D2.AA7 D2.AA19 D2.AA21 D2.AB17 D2.AB21 D2.AC18 D2.AD15 D2.AD17 D2.AF26 D2.AG26 D2.AH19 D2.AH22 D2.AH25 D2.AJ25 D2.AJ26 D2.AK29 D2.E26 D2.F1 D2.G1 D2.G2 D2.G25 D2.H29 D2.J15 D2.J26 D2.K21 D2.L30 D2.M22 D2.M25 D2.N23 D2.N30 D2.P22 D2.P29 D2.R24 D2.T21 D2.T23 D2.T24 D2.T25 D2.T30 D2.U20 D2.U25 D2.U27 D2.U28 D2.V18 D2.V20 D2.V27 D2.V28 D2.V29 D2.W19 D2.W26 D2.W27 D2.Y18 D2.Y28 D2.Y29 D3.21 D4.21 D6.8 D6.9 D6.12 D6.13 D6.21 D7.9 D9.9 D10.4 D10.5 D10.6 D10.15 D10.16 D10.17 D10.21 D12.9 D14.9 DD2.7 R15.1 R24.14 R24.15 R24.16 RP_BL.0 RP_BR.0 RP_LT.0 RP_RT.0 U1.J1 U1.J9 U1.L1 U1.L9 U1.M7 U2.J1 U2.J9 U2.L1 U2.L9 U2.M7 U3.J1 U3.J9 U3.L1 U3.L9 U3.M7 U4.J1 U4.J9 U4.L1 U4.L9 U4.M7 X1.104 X1.106
copper on no net:
  other v1: 19081.69,8103.35 19125,8103.35 19168.31,8103.35 19081.69,8146.65 19125,8146.65 19168.31,8146.65 12191.69,8863.35 12235,8863.35 12278.31,8863.35 13366.69,8863.35 13410,8863.35 13453.31,8863.35 12191.69,8906.65 12235,8906.65 12278.31,8906.65 13366.69,8906.65 13410,8906.65 13453.31,8906.65 7565.94,10180.63 7605.31,10180.63 7644.69,10180.63 7684.06,10180.63 7565.94,10220 7605.31,10220 7644.69,10220 7684.06,10220 7565.94,10259.37 7605.31,10259.37 7644.69,10259.37 7684.06,10259.37 12246.69,10288.35 12290,10288.35 12333.31,10288.35 12246.69,10331.65 12290,10331.65 12333.31,10331.65 7355.94,11475.63 7395.31,11475.63 7434.69,11475.63 7474.06,11475.63 7355.94,11515 7395.31,11515 7434.69,11515 7474.06,11515 7355.94,11554.37 7395.31,11554.37 7434.69,11554.37 7474.06,11554.37

## Text inside footprints (layer, text, board x,y; h text height)
X1: Top Overlay "167" at 12117.56,1693.7 h23.62; Top Overlay "2" at 11791.77,3380.71 h23.62; Top Overlay "168" at 11759.49,1691.54 h23.62
X2: Top Overlay "167" at 8347.56,3853.7 h23.62; Top Overlay "2" at 8021.77,5540.71 h23.62; Top Overlay "168" at 7989.49,3851.54 h23.62
X3: Top Overlay "167" at 9642.56,6013.7 h23.62; Top Overlay "2" at 9316.77,7700.71 h23.62; Top Overlay "168" at 9284.49,6011.54 h23.62